# Altium PCB GN-1876-HI3519AV100_V1.PCBDOC (part 5 of 6) (continued)
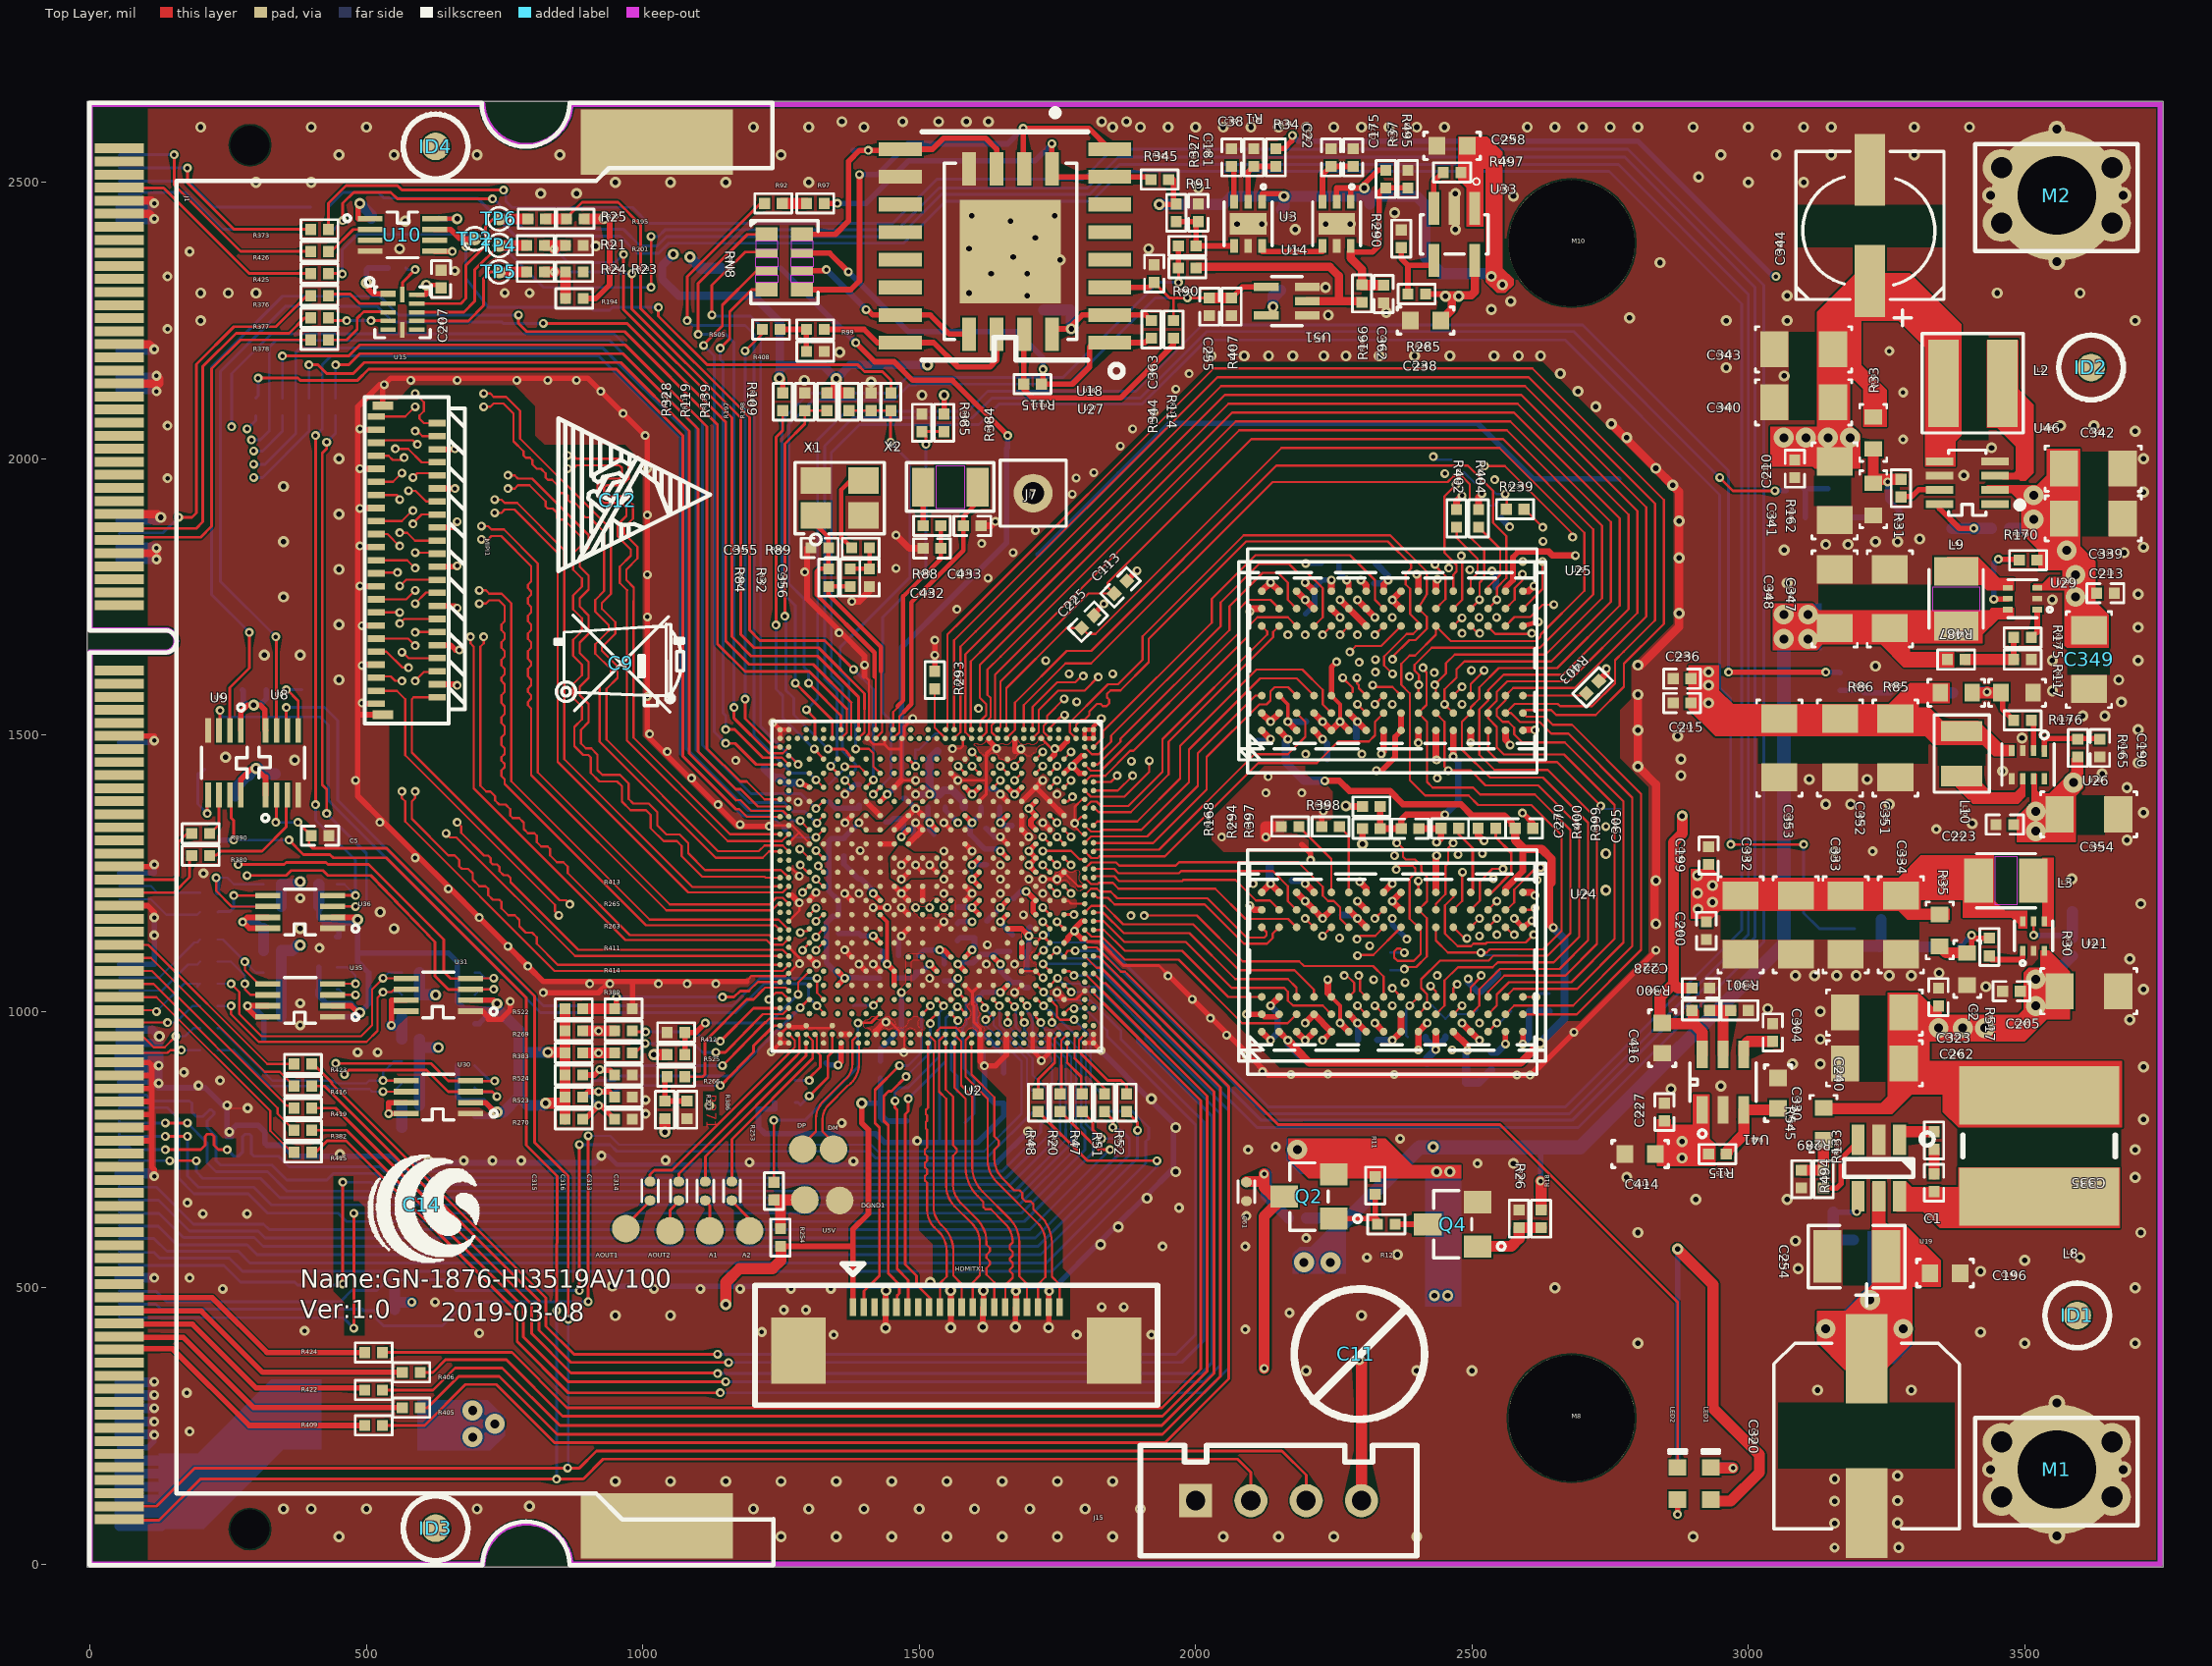
[diagram p0: Top Layer view]
## Nets (pads, with @x,y where several pads share a name; then routed paths per layer and width w, separated by ;. In a path a pad name is that pad's centre, name@x,y a point inside that pad or via, vN(x,y) a via of type N, cw(c..) or ccw(c..) an arc to the next point about the centre after c; other vN are vias at no path point) (continued)
  Top Layer w10: R523.2@891,845.16 900.84,855 v1(920,855) 939.16,855 R414.1@949,845.16
  Bottom Layer w5.1: v1(920,855) 949,855 969,866.16 v1(1140,866.16)
POR_SEL: R119.1 R139.2 U2.1T1 | length 751.4
  Top Layer w5.1: v1(1257,1715.16) 1257,2027.16 1293,2063.16 R119.1@1293,2087.16 R139.2@1333,2087.16 ; v1(1335,1475.16) 1363.74,1475.16 1368.68,1470.22 U2.1T1@1378.15,1456.81
  Bottom Layer w5.1: v1(1257,1715.16) 1258.5,1713.66 1258.5,1581.66 1273,1567.16 1273,1537.16 v1(1335,1475.16)
PWM_OUT0_1V2: R421.1 U2.AN2 | length 2964.6
  Top Layer w5.1: v1(1296,1546.16) 1296,1545.38 1311.22,1530.16 U2.AN2@1311.22,1494.22
  Top Layer w10: v1(2964,1614.16) v1(3140,1614.16)
  Bottom Layer w5.1: v1(1296,1546.16) 1316,1566.16 1316,2034.16 1368,2086.16 1588,2086.16 1624,2122.16 1892,2122.16 2012,2242.16 2700,2242.16 2964,1978.16 v1(2964,1614.16)
  Bottom Layer w10: v1(3140,1614.16) 3164.6,1614.16 R421.1@3166,1612.76
PWR_RSTN: C24.1 R118.2 U2.1M1 | length 99.8
  Top Layer w5.1: U2.1M1@1480.51,1456.81 v1(1493.3,1444.02)
  Bottom Layer w4: v1(1493.3,1444.02) 1493,1444.32 1493,1473.4 1499.5,1473.4 1529,1502.9 R118.2@1533,1502.9
RGMII_RXCK: J1.146 U2.1F18 | length 2108.7
  Top Layer w4: U2.1F18@1634.05,1021.78 1634.05,1021.11 v1(1645,1010.16)
  Top Layer w5.1: v1(136,750.16) 200,750.16 208,758.16 208,774.16 212,778.16 220,778.16 224,774.16 224,758.16 232,750.16 v1(248,750.16)
  Bottom Layer w4: v1(1645,1010.16) 1645,975.16 1705,915.16 1705,885.16 1730,860.16 1730,805.16
  Bottom Layer w5.1: J1.146@53,754.47 71.69,754.47 76,750.16 v1(136,750.16) ; v1(248,750.16) 260,738.16 268,738.16 276,746.16 276,774.16 280,778.16 288,778.16 292,774.16 292,742.16 296,738.16 341,738.16 360,719.16 523.2,719.16 531.2,711.16 1650,711.16 1720,781.16 1720,795.16 1730,805.16
RGMII_RXD0: J1.138 U2.1E19 | length 2130.6
  Top Layer w4: U2.1E19@1659.64,996.19 1659.64,980.52 v1(1660,980.16)
  Bottom Layer w4: v1(1660,980.16) 1660,975.16 1708.5,926.66 1728,926.66 1740,914.66 1740,785.16
  Bottom Layer w5.1: J1.138@53,848.96 101.2,848.96 112,838.16 180,838.16 184,834.16 184,818.16 192,810.16 204,810.16 216,822.16 220,822.16 224,818.16 224,814.16 212,802.16 212,790.16 228,774.16 228,730.16 236,722.16 329,722.16 356,695.16 428,695.16 440,707.16 517,707.16 525,699.16 1657,699.16 1740,782.16 1740,785.16
RGMII_RXD1: J1.140 U2.1C18 | length 2286.8
  Top Layer w4: U2.1C18@1710.82,1021.78 1713.46,1021.78 1723.69,1011.55 v1(1725,1010.16)
  Bottom Layer w4: v1(1725,1010.16) 1732.68,1002.48 1737.48,1002.48 1801.55,938.41 1801.55,796.39
  Bottom Layer w5.1: J1.140@53,825.34 53.82,826.16 140,826.16 160,806.16 160,698.16 188,670.16 286,670.16 321,635.16 449,635.16 464,620.16 1690,620.16 1815,745.16 1815,782.94 1801.55,796.39
RGMII_RXD2: J1.142 U2.1D19 | length 2104.6
  Top Layer w4: U2.1D19@1685.23,996.19 1685.23,980.16 v1(1690,980.16)
  Top Layer w5.1: v1(136,798.16) v1(176,798.16)
  Bottom Layer w4: v1(1690,980.16) 1690,967.16 1711.5,945.66 1735.5,945.66 1765,916.16 1765,787.16
  Bottom Layer w5.1: J1.142@53,801.72 53,798.16 v1(136,798.16) ; v1(176,798.16) 212,762.16 212,726.16 228,710.16 321,710.16 356,675.16 1673,675.16 1765,767.16 1765,787.16
RGMII_RXD3: J1.144 U2.1C19 | length 2151.2
  Top Layer w4: U2.1C19@1710.82,996.19 1710.82,990.16 1720,980.98 v1(1720,980.16)
  Top Layer w5.1: v1(136,774.16) v1(176,774.16)
  Bottom Layer w4: v1(1720,980.16) 1721,979.16 1721,973.99 1728,966.99 1738.72,966.99 1783.55,922.16 1783.55,790.16 1784.61,789.1 1784.61,788.37
  Bottom Layer w5.1: J1.144@53,778.09 53,774.16 v1(136,774.16) ; v1(176,774.16) 176,702.16 196,682.16 296,682.16 328,650.16 1680.87,650.16 1784.61,753.9 1784.61,788.37
RGMII_RXDV: J1.148 U2.1D18 | length 2113.6
  Top Layer w4: U2.1D18@1685.23,1021.78 1685.23,1019.93 v1(1695,1010.16)
  Top Layer w5.1: v1(144,730.16) v1(192,730.16)
  Bottom Layer w4: v1(1695,1010.16) 1695,1000.16 1705,990.16 1705,965.16 1715,955.16 1738,955.16 1775,918.16 1775,787.16
  Bottom Layer w5.1: J1.148@53,730.85 53.69,730.16 v1(144,730.16) ; v1(192,730.16) 192,710.16 204,698.16 308,698.16 343,663.16 1677,663.16 1775,761.16 1775,787.16
RGMII_TXCKOUT: J1.160 R49.2 | length 2113.9
  Bottom Layer w5.1: J1.160@53,589.12 116,589.12 138.96,566.16 268,566.16 289,545.16 1730,545.16 1910,725.16 1910,765.16 1915,770.16 1915,790.16 1886,819.16 R49.2@1830,819.16
RGMII_TXCKOUT_A: R49.1 U2.1B18 | length 224.2
  Top Layer w4: U2.1B18@1736.41,1021.78 1749,1009.19 1749,991.03 1754.94,985.09 1755,985.16 v1(1780,985.16)
  Bottom Layer w4: v1(1780,985.16) 1810,955.16 1810,871.16 R49.1@1830,851.16
RGMII_TXD0: J1.152 R20.2 | length 2004
  Top Layer w5.1: R20.2@1755,819.16 1824,750.16 v1(1845,750.16)
  Bottom Layer w5.1: J1.152@53,683.6 53,682.2 120,682.2 187.05,615.15 314.05,615.15 324.05,605.16 1700,605.16 v1(1845,750.16)
RGMII_TXD0_A: R20.1 U2.D36 | length 113
  Top Layer w4: 1756.91,903.16 1756.91,947.89 1761,951.98 1761.11,951.98 U2.D36@1767.91,958.78
  Top Layer w5.1: R20.1@1755,851.16 1756.91,853.07 1756.91,903.16
RGMII_TXD1: J1.154 R47.2 | length 2023.6
  Top Layer w5.1: R47.2@1795,819.16 1814.1,800.06 1814.1,786.06 v1(1830,770.16)
  Bottom Layer w5.1: J1.154@53,659.98 53,658.58 124,658.58 180,602.58 304,602.58 316.43,590.16 1710,590.16 1865,745.16 1865,760.16 1855,770.16 v1(1830,770.16)
RGMII_TXD1_A: R47.1 U2.D37 | length 103.1
  Top Layer w4: 1767.91,907.16 U2.D37@1767.91,943.04 ; R47.1@1793,855.16 1793,853.16 R47.1@1795,851.16
  Top Layer w5.1: 1767.91,907.16 1793,882.07 R47.1@1793,855.16
RGMII_TXD2: J1.156 R51.2 | length 2022.9
  Top Layer w5.1: R51.2@1835,819.16 1850,804.16 v1(1850,790.16)
  Bottom Layer w5.1: J1.156@53,636.36 54.4,634.96 124.9,634.96 168.8,591.06 296.9,591.06 312.8,575.16 1715,575.16 1880,740.16 1880,770.16 1865,785.16 v1(1850,790.16)
RGMII_TXD2_A: R51.1 U2.C36 | length 131.1
  Top Layer w4: 1781,915.16 1781,956.12 U2.C36@1783.66,958.78 ; R51.1@1835,853.19 1835,861.16
  Top Layer w5.1: 1781,915.16 1835,861.16 ; R51.1@1835,851.16 R51.1@1835,853.19
RGMII_TXD3: J1.158 R52.2 | length 2028.6
  Top Layer w5.1: R52.2@1875,819.16 1895,799.16 v1(1895,785.16)
  Bottom Layer w5.1: J1.158@53,612.74 54.4,611.34 124,611.34 157.18,578.16 284,578.16 302,560.16 1720,560.16 1895,735.16 v1(1895,785.16)
RGMII_TXD3_A: R52.1 U2.B36 | length 161.6
  Top Layer w4: 1793,923.16 1789,927.16 1789,948.37 U2.B36@1799.41,958.78 ; R52.1@1875,851.16 R52.1@1875,855.16
  Top Layer w5.1: 1793,923.16 1841,875.16 1865,875.16 1875,865.16 R52.1@1875,855.16
RGMII_TXEN: J1.162 R48.2 | length 2232.2
  Top Layer w5.1: R48.2@1715,819.16 1804,730.16 v1(1930,730.16)
  Bottom Layer w5.1: J1.162@53,565.49 54.4,564.09 116,564.09 125.94,554.16 252,554.16 276,530.16 1740,530.16 1930,720.16 v1(1930,730.16)
RGMII_TXEN_A: R48.1 U2.E36 | length 123
  Top Layer w4: 1745,909.16 1745,951.16 1749,955.16 1749,955.62 U2.E36@1752.16,958.78
  Top Layer w5.1: R48.1@1715,851.16 1715,877.16 1745,907.16 1745,909.16
RTC_XIN: C433.2 U2.AD2 X2.1 | length 517.7
  Top Layer w4: U2.AD2@1452.95,1494.22 1464,1505.27 1464,1533.9 1472,1541.9
  Top Layer w8: 1472,1541.9 1486,1555.9 1486,1740.36 1517.65,1772 1580,1834.36 C433.2@1580,1878.9 1580,1895.9 1605.21,1921.11 X2.1@1605.21,1948.9
RTC_XOUT: C432.2 R88.1 U2.AD1 | length 404.6
  Top Layer w4: U2.AD1@1452.95,1509.96 1452.95,1541.85 1461,1549.9 1461,1552.9
  Top Layer w8: 1461,1552.9 1471,1562.9 1471,1751.1 1474.66,1754.76 1504.78,1784.87 1539,1819.1 C432.2@1539,1837.9 R88.1@1539,1878.9
SFC_CLK: R99.2 U18.6 U27.16 | length 392.5
  Top Layer w10: R99.2@1328,2234.16 1400.16,2234.16 1424.16,2210.16 U27.16@1465.53,2210.16 1526,2210.16 1570,2166.16 1628,2166.16 1640,2178.16 U18.6@1640,2225.55
SFC_CSN0: R97.2 R345.2 U18.1 U27.7 | length 697.8
  Top Layer w10: R97.2@1328,2462.16 v1(1352,2462.16) ; v1(1740,2570.16) U18.1@1740,2524.77 1740,2510.16 U27.7@1844.47,2510.16 1914,2510.16 R345.2@1919,2505.16
  Bottom Layer w10: v1(1352,2462.16) 1404,2462.16 1481,2539.16 1709,2539.16 v1(1740,2570.16)
SFC_EMMC_BOOT_MODE: R411.1 R524.2 U2.AT34 | length 448.5
  Top Layer w4: 1221.92,980.23 1229,987.31 1261,987.31 U2.AT34@1263.97,990.28
  Top Layer w5.1: v1(1144,902.16) 1221.08,980.23 1221.92,980.23
  Top Layer w10: R524.2@891,885.16 912.16,885.16 v1@920.58,893.58 ; v1(922,895) v1@920.58,893.58 ; R411.1@949,885.16 940.58,893.58 v1@920.58,893.58
  Bottom Layer w5.1: v1(922,895) 924.95,896.06 926.38,896.06 932.48,902.16 v1(1144,902.16)
SFC_HOLD_IO3: R115.2 R344.2 RN8.7 U27.1 | length 818.7
  Top Layer w10: RN8.7@1288,2372.16 1338,2372.16 v1(1372,2338.16) ; v1(1724,2162.16) 1724,2138.16 R115.2@1722.5,2136.66 ; R344.2@1920,2218.16 1916,2218.16 1908,2210.16 U27.1@1844.47,2210.16 1816,2210.16 1808,2202.16 1808,2166.16 1777,2135.16 1724,2135.16 R115.2@1722.5,2136.66 ; R115.2@1722.5,2136.66 R115.2@1721,2135.16 R115.2@1722.5,2136.66
  Bottom Layer w10: v1(1372,2338.16) 1480,2230.16 1676,2230.16 1724,2182.16 v1(1724,2162.16)
SFC_MISO_IO1: RN8.5 U18.2 U27.8 | length 879.8
  Top Layer w10: RN8.5@1288,2306.16 1376,2306.16 1392,2322.16 v1(1392,2514.16) ; U18.2@1690,2524.77 1688,2526.77 v1(1688,2598.16) 1806.47,2598.16 U27.8@1844.47,2560.16
  Bottom Layer w10: v1(1392,2514.16) 1424,2514.16 1479.84,2570 1659.84,2570 v1(1688,2598.16)
SFC_MOSI_IO0: RN8.6 U18.5 U27.15 | length 352.3
  Top Layer w10: RN8.6@1288,2340.16 1332,2340.16 v1(1332,2342.16) ; v1(1404,2270.16) 1406,2270.16 1416,2260.16 U27.15@1465.53,2260.16 1520,2260.16 1554.61,2225.55 U18.5@1590,2225.55
  Bottom Layer w10: v1(1332,2342.16) v1(1404,2270.16)
SFC_WP_IO2: R346.1 RN8.8 U18.3 U27.9 | length 559
  Top Layer w10: RN8.8@1288,2406.16 1348,2406.16 1372,2430.16 1372,2538.16 1392,2558.16 v1(1408,2558.16) 1463.53,2558.16 U27.9@1465.53,2560.16 1524,2560.16 1544,2580.16 1620,2580.16 1640,2560.16 U18.3@1640,2524.77
  Bottom Layer w10: R346.1@1380,2558.16 v1(1408,2558.16)
SVB_PWM0_DVDD: R418.1 U2.1T3 | length 3445.5
  Top Layer w4: v1(1365.4,1418.38) U2.1T3@1378.15,1405.63
  Top Layer w5.1: v1(2968,1302.16) v1(3100,1302.16)
  Bottom Layer w5.1: v1(1365.4,1418.38) 1385,1437.98 1385,1447.16 1361,1471.16 1361,1587.16 1341,1607.16 1341,2011.16 1392,2062.16 1608,2062.16 1644.8,2098.96 1903.2,2098.96 2019.4,2215.16 2668,2215.16 2948,1935.16 2948,1586.16 2968,1566.16 v1(2968,1302.16) ; v1(3100,1302.16) 3100,1178.16 3128,1150.16 R418.1@3192,1150.16
SVB_PWM2_CPU_MEDIA: R420.1 U2.1U2 | length 2559
  Top Layer w5.1: v1(1339.81,1443.97) U2.1U2@1352.56,1431.22 ; v1(2948,1966.16) 2972,1942.16 v1(3048,1942.16)
  Bottom Layer w5.1: v1(1339.81,1443.97) 1351,1455.16 1351,1579.16 1329,1601.16 1329,2023.16 1380,2074.16 1596,2074.16 1632,2110.16 1900,2110.16 2020,2230.16 2684,2230.16 v1(2948,1966.16) ; R420.1@3068,1942.16 R420.1@3068,1946.16
  Bottom Layer w10: v1(3048,1942.16) R420.1@3068,1942.16
SYS_RSTN_1V8: C255.2 C363.1 R114.2 R407.1 U2.AK1 U27.3 U51.4 | length 1755.2
  Top Layer w5.1: v1(1300,1594.16) 1331.73,1562.43 1331.73,1561.89 1358.46,1535.16 U2.AK1@1358.46,1509.96 ; C363.1@1925,2319.16 1953,2291.16 1960,2291.16 ; R114.2@1960,2250.16 1960,2291.16 ; C255.2@2025,2291.16 v1(1985,2291.16) 1960,2291.16
  Top Layer w10: U27.3@1844.47,2310.16 1916,2310.16 C363.1@1925,2319.16 ; R407.1@2065,2291.16 2084.59,2310.75 U51.4@2128,2310.75
  Top Layer w20: C255.2@2025,2291.16 R407.1@2065,2291.16
  Bottom Layer w5.1: v1(1300,1594.16) 1300,1614.16 1292,1622.16 1292,1746.16 1264,1774.16 1264,2062.16 1308,2106.16 1454,2106.16 1481.84,2134 1493.84,2134 1495,2135.16 1771,2135.16 1927,2291.16 v1(1985,2291.16)
SYS_RSTN_OUT: R90.1 R166.2 U51.2 | length 411.3
  Top Layer w15: R90.1@2001,2345.16 2003,2347.16 2243,2347.16 2259,2331.16 2259,2285.16 ; U51.2@2202,2285.16 2259,2285.16 ; R166.2@2301,2283.16 2299,2285.16 2259,2285.16
SYS_RSTN_OUT/WDG_RSTN: R90.2 R91.2 U2.AL2 | length 1499.7
  Top Layer w5.1: v1(1276,1594.16) 1288,1582.16 1288,1581.87 1342.71,1527.16 U2.AL2@1342.71,1494.22 ; v1(1969,2319.16) R90.2@1969,2342.16
  Top Layer w10: R90.2@1969,2342.16 R90.2@1969,2345.16 R91.2@1969,2385.16
  Bottom Layer w5.1: v1(1276,1594.16) 1276,1734.16 1252,1758.16 1252,2070.16 1300.6,2118.76 1448.84,2118.76 1477.24,2147.16 1760,2147.16 1932,2319.16 v1(1969,2319.16)
UART0_RXD: U2.AK2 U9.2 | length 2510.4
  Top Layer w4: U2.AK2@1358.46,1494.22 1369,1504.76 1369,1547.16
  Top Layer w5.1: U9.2@252.84,1508.57 252.84,1586.16 288,1621.32 v1(288,1686.16) ; v1(775,2260.16) 775,2245.16 790,2230.16 967,2230.16 1135,2062.16 1135,1665.16 1185,1615.16 1301,1615.16 1369,1547.16
  Bottom Layer w5.1: v1(288,1686.16) 220,1754.16 220,2166.16 348,2294.16 524,2294.16 558,2260.16 v1(775,2260.16)
UART0_RXD_3V3: C7.1 J1.203 J15.2 U9.7 | length 3800.3
  Top Layer w5.1: J1.203@53,81.24 54.4,79.84 125,79.84 199.66,154.5 v1@844,154.5 ; U9.7@252.84,1391.75 252.84,1375.16 255,1373 255,1350.16 260,1345.16 v1(260,1310.16) ; v1(360,1310.16) 386.02,1284.14 433.98,1284.14 440,1278.12 535.96,1278.12 788.93,1025.16 788.93,758.16 844.89,702.2 844.84,702.15 v1(844,459.16) ; v1(844,154.16) v1@844,154.5 ; J15.2@2100,115.16 2100,166.16 2076,190.16 928,190.16 892.34,154.5 v1@844,154.5
  Bottom Layer w5.1: v1(260,1310.16) v1(360,1310.16) ; v1(844,154.16) v1(844,459.16)
  Bottom Layer w10: C7.1@240,1310.16 v1(260,1310.16)
UART0_TXD: U2.AJ2 U8.7 | length 2476
  Top Layer w4: U2.AJ2@1374.21,1494.22 1377,1497.01 1377,1559.16
  Top Layer w5.1: v1(336,1678.16) 337.16,1677 U8.7@337.16,1508.57 ; v1(820,2245.16) 971,2245.16 1150,2066.16 1150,1670.16 1192,1628.16 1308,1628.16 1377,1559.16
  Bottom Layer w5.1: v1(336,1678.16) 236,1778.16 236,2158.16 353.47,2275.62 520,2275.62 548.23,2247.39 745,2247.39 747.23,2245.16 v1(820,2245.16)
UART0_TXD_3V3: C5.1 J1.201 J15.3 U8.2 | length 3800
  Top Layer w5.1: J1.201@53,104.86 120,104.86 188.65,173.51 864,173.51 v1(864,174.16) 865,173.51 884.35,173.51 916,205.16 2156.1,205.16 2200,161.26 J15.3@2200,115.16 ; v1(336,1342.16) 336,1341.46 337.16,1344.3 U8.2@337.16,1391.75 ; v1(376,1342.16) C5.1@396,1322.16 ; C5.1@400,1318.16 C5.1@396,1322.16 ; v1(865,443.16) 865,702.16 804,763.16 804,1028.16 537,1295.16 403,1295.16 396,1302.16 C5.1@396,1322.16
  Bottom Layer w5.1: v1(336,1342.16) v1(376,1342.16) ; v1(864,174.16) 865,175.16 v1(865,443.16)
UART1_RXD: U2.1V19 U9.3 | length 1496.1
  Top Layer w4: v1(1315,1010.16) 1326.97,998.19 U2.1V19@1326.97,996.19
  Top Layer w5.1: U9.3@233.16,1508.57 235,1510.41 v1(235,1545)
  Bottom Layer w5.1: v1(235,1545) 235,1538.16 240,1533.16 416,1533.16 431,1518.16 431,1382.16 815,998.16 1168,998.16 1220,1050.16 1295,1050.16 1300,1045.16 1300,1025.16 v1(1315,1010.16)
UART1_RXD_3V3: R390.1 U9.6 | length 77.4
  Top Layer w5.1: R390.1@216,1322.16 217.16,1322.16 233.16,1338.16 U9.6@233.16,1391.75
UART1_TXD: U2.1V18 U8.6 | length 1374.4
  Top Layer w4: v1(1315,1060.16) 1315,1033.75 U2.1V18@1326.97,1021.78
  Top Layer w5.1: v1(355,1550.16) 355,1510.41 U8.6@356.84,1508.57
  Bottom Layer w5.1: v1(355,1550.16) 424,1550.16 448,1526.16 448,1382.16 820,1010.16 1162,1010.16 1212,1060.16 v1(1315,1060.16)
UART1_TXD_3V3: R380.1 U8.3 | length 219.4
  Top Layer w5.1: R380.1@216,1282.16 216,1283.1 228.94,1283.1 236,1290.16 311,1290.16 355,1334.16 355,1389.91 U8.3@356.84,1391.75
USB2_DM: DP.1 U2.AH36 | length 246.3
  Top Layer w4: DP.1@1289,751.16 1289,759.16 1313,783.16 1313,805.16 cw(c1359.44,805.16) 1329.5,840.66 1364.55,875.71 ccw(c1341.74,905.16) 1379,905.16 1379,947.16 1378.67,947.49 U2.AH36@1389.96,958.78
USB2_DP: DM.1 U2.AH37 | length 225.3
  Top Layer w4: DM.1@1345,751.16 1345,763.16 1325,783.16 1325,805.16 cw(c1361.25,805.16) 1335,830.16 1370,865.16 ccw(c1342.4,905.16) 1391,905.16 1391,943.04 U2.AH37@1389.96,943.04
USB2_REXT: R179.1 U2.1P18 | length 53.1
  Top Layer w4: v1(1417,1011.16) 1427.62,1021.78 U2.1P18@1429.33,1021.78
  Bottom Layer w5.1: R179.1@1381,1010.16 1382,1011.16 v1(1417,1011.16)
USB2_VBUS: R253.1 U2.1P19 | length 431.1
  Top Layer w5.1: R253.1@1237,691.16 v1(1237,803.16) ; v1(1389,979.16) 1389.7,979.86 1413,979.86 U2.1P19@1429.33,996.19
  Bottom Layer w4: 1389,899.16 1389,907.16
  Bottom Layer w5.1: v1(1237,803.16) 1293,803.16 1389,899.16 ; 1389,907.16 v1(1389,979.16)
VDDIO_DDR_CK: C49.1 LB3.2 U2.1E5 | length 69.1
  Top Layer w10: v1(1646.85,1341.66) U2.1E5@1659.64,1354.45
  Bottom Layer w10: LB3.2@1645.87,1369.29 1645.87,1342.64 v1(1646.85,1341.66) 1652.14,1336.37 C49.1@1667.6,1336.37
VPP_2V5: C228.1 C272.1 C273.1 C305.1 C416.1 R300.1 U24.B1 U24.R9 U25.B1 U25.R9 U41.6 | length 3488.5
  Top Layer w10: U25.R9@2560.6,1760.5 2560.6,1766.76 2574,1780.16 2574,1822.16 2584,1832.16
  Top Layer w12: U24.B1@2151.16,963.54 v1(2166.9,947.8) ; U25.B1@2151.16,1508.54 v1(2166.9,1492.8) ; v1(2233.85,1417.54) 2259.61,1417.54 2277.99,1399.16 2351,1399.16 2375.26,1374.9 2480,1374.9 2500.5,1354.4 2558.76,1354.4 2572,1341.16 2572,1337.38 C305.1@2578.1,1331.28 ; U24.R9@2560.6,1215.5 2560.6,1222.74 2592,1254.14 2592,1292.16 2594,1294.16 ; 2584,1832.16 2639,1832.16 2646,1825.16 v1(2687,1825.16)
  Top Layer w15: v1(2166.9,947.8) 2181.4,933.3 2181.4,931.86 2205.6,907.66 2588.1,907.66 v2(2622.9,942.46) ; C305.1@2578.1,1331.28 2578.1,1310.06 2594,1294.16 2626,1294.16 2644,1276.16 2644,1233.16 2639,1228.16 2639,1159.8 v1(2647.1,1151.7)
  Top Layer w20: v2(2880.3,1353.94) 2880.3,1322.16 2864.3,1306.16 2864.3,1050.16 ; R300.1@2898,1002.16 2900.6,999.56 2900.6,978.16 ; C228.1@2898,1042.16 2872.3,1042.16 2864.3,1050.16 ; U41.6@2916.6,922.36 2916.6,962.16 2900.6,978.16 ; 2864.3,1050.16 2840.3,1026.16 2840.3,983.36 C416.1@2844,979.66 2845.5,978.16 2900.6,978.16
  Mid-Layer 2 w15: v2(2622.9,942.46) 2785,1104.56 2785,1258.64 v2(2880.3,1353.94) 2832,1402.24 2832,1714.16 2721,1825.16 v1(2687,1825.16)
  Bottom Layer w12: v1(2166.9,947.8) 2166.9,940.9 C273.1@2187.1,920.7
  Bottom Layer w15: v1(2166.9,1492.8) 2163.1,1489 C272.1@2163.1,1450.7 2196.26,1417.54 v1(2233.85,1417.54) ; v2(2622.9,942.46) 2667.4,986.96 2667.4,1131.4 v1(2647.1,1151.7)
WDG_RSTN: C181.1 R91.1 R327.2 U3.4 | length 154.1
  Top Layer w10: R327.2@1965,2429.16 C181.1@2005,2429.16 2001,2425.16 R91.1@2001,2385.16 2001.06,2385.1 U3.4@2069.41,2385.1
XIN: C355.2 R84.1 U2.AF1 X1.1 | length 460.7
  Top Layer w4: 1419,1605.9 1421.45,1603.45 U2.AF1@1421.45,1509.96
  Top Layer w8: X1.1@1312.69,1897.4 1312.69,1881.2 1336,1857.89 C355.2@1336,1838.9 R84.1@1336,1800.9 1319,1800.9 1314,1795.9 1314,1754.58 1419,1649.58 1419,1605.9
XOUT: R32.2 R84.2 U2.AF2 | length 358.6
  Top Layer w4: U2.AF2@1421.45,1494.22 1433,1505.77 1433,1524.9 1431,1526.9 1431,1615.9
  Top Layer w8: R32.2@1375,1768.9 R84.2@1336,1768.9 1336,1753.9 1431,1658.9 1431,1615.9
pads on no net: HDMITX1.3 HDMITX1.7 ID1.1 ID2.1 ID3.1 ID4.1 ID5.1 ID6.1 ID7.1 ID8.1 J1.1 J1.3 J1.5 J1.13 J1.14 J1.15 J1.16 J1.17 J1.18 J1.19 J1.20 J1.21 J1.22 J1.23 J1.24 J1.25 J1.26 J1.27 J1.28 J1.29 J1.30 J1.33 J1.34 J1.35 J1.39 J1.40 J1.41 J1.42 J1.43 J1.44 J1.45 J1.46 J1.47 J1.48 J1.49 J1.50 J1.51 J1.52 J1.53 J1.54 J1.55 J1.56 J1.65 J1.66 J1.67 J1.68 J1.69 J1.70 J1.71 J1.72 J1.73 J1.74 J1.75 J1.76 J1.77 J1.78 J1.79 J1.80 J1.81 J1.82 J1.85 J1.86 J1.87 J1.88 J1.89 J1.90 J1.91 J1.92 J1.93 J1.94 J1.95 J1.96 J1.97 J1.98 J1.99 J1.100 J1.101 J1.102 J1.110 J1.111 J1.112 J1.113 J1.114 J1.116 J1.124 J1.126 J1.147 J1.149 J1.151 J1.153 J1.155 J1.157 J1.159 J1.161 J1.163 J1.165 J1.167 J1.174 J1.176 J1.178 J1.179 J1.180 J1.181 J1.183 J1.185 J1.187 J1.189 J1.191 J1.193 J1.195 J1.197 J1.199 J1.205 J1.206 M8.1 M10.1 R24.2 U2.1F1 U2.1F2 U2.1K1 U2.1K2 U2.1L1 U2.1L2 U2.1L18 U2.1M2 U2.1M18 U2.1M19 U2.1N1 U2.1N2 U2.1N4 U2.1N18 U2.1N19 U2.1P1 U2.1R1 U2.1R18 U2.1R19 U2.1T2 U2.1T18 U2.1T19 U2.1U1 U2.1U3 U2.1U4 U2.1U5 U2.1U18 U2.1U19 U2.1V2 U2.1V16 U2.1V17 U2.1W1 U2.1W2 U2.1W5 U2.1W17 U2.1W19 U2.A33 U2.A35 U2.AA2 U2.AB1 U2.AB2 U2.AB36 U2.AB37 U2.AD36 U2.AD37 U2.AE36 U2.AE37 U2.AG36 U2.AG37 U2.AM1 U2.AM2 U2.AP1 U2.AP2 U2.AR2 U2.AT2 U2.AT6 U2.AT7 U2.AT8 U2.AT16 U2.AT22 U2.AT30 U2.AU7 U2.AU16 U2.AU22 U2.AU32 U2.B28 U2.B30 U2.B32 U2.B33 U2.B34 U2.B35 U2.E1 U2.E2 U2.G36 U2.G37 U2.J2 U2.J36 U2.J37 U2.K36 U2.K37 U2.M36 U2.M37 U2.N36 U2.N37 U2.Y1 U2.Y2 U10.3 U10.6 U15.5 U15.7 U26.8 U27.4 U27.5 U27.6 U27.11 U27.12 U27.13 U27.14 U46.1
copper on no net: | length 782.8
  Mid-Layer 2 w10: 2804.58,262.16 ccw(c2680,262.16) 2804.58,262.16

## Polygon pours and split planes (outlines as drawn)
GND on Top Layer "Top Layer-GND 6" (solid, remove dead copper, pour order 1010): 35 vertices, not listed, extent 2032.1,1295.7 2245,1431.37
GND on Top Layer "Top Layer-GND 5" (solid, remove dead copper, pour order 1009): 216 vertices, not listed, extent 1571.44,953.9 1618.4,1016.96
GND on Top Layer "Top Layer-GND 4" (solid, remove dead copper, pour order 1011): 145 vertices, not listed, extent -0.4,0 3739.6,2643.13
AVDD33_USB_0 on Top Layer "Top Layer-AVDD33_USB_0" (solid, remove dead copper, pour order 1008): 1507.45,1104.1 1478.7,1104.1 1475.4,1100.8 1475.4,1051.9 1459.7,1036.2 1459.7,1033.1 1466.6,1026.2 1468.6,1026.2 1485.4,1043 1485.4,1089.9 1489,1093.5 1508.1,1093.5 1510.95,1096.35 1510.95,1100.6
GND on Top Layer "Top Layer-GND 3" (solid, remove dead copper, pour order 1007): 411 vertices, not listed, extent 1599.25,1451.2 1725.67,1501.46
1V8 on Top Layer "Top Layer-1V8 1" (solid, remove dead copper, pour order 1006): 111 vertices, not listed, extent 1680.5,1068.06 1715,1142.88
GND on Top Layer "Top Layer-GND 2" (solid, remove dead copper, pour order 1005): 186 vertices, not listed, extent 1741.23,1218.18 1800.99,1257.7
GND on Top Layer "Top Layer-GND 1" (solid, remove dead copper, pour order 1004): 353 vertices, not listed, extent 1399.01,953.48 1505.89,991.37
GND on Top Layer "Top Layer-GND" (solid, remove dead copper, pour order 1003): 130 vertices, not listed, extent 1912.04,854.16 2701.26,1085.67
DVDD_CPU_MEDIA on Top Layer "Top Layer-DVDD_CPU_MEDIA 1" (solid, remove dead copper, pour order 1002): 1463.4,1300.68 1447.25,1278.87 1448.59,1241.54 1467,1228.89 1475.43,1233.52 1483.66,1241.23 1532.51,1242.77 1539.3,1252.96 1535.6,1260.46 1535.7,1282.37 1528.09,1286.59 1490.55,1285.97 1470.92,1299.84
DVDD_CPU_MEDIA on Top Layer "Top Layer-DVDD_CPU_MEDIA" (solid, remove dead copper, pour order 1001): 310 vertices, not listed, extent 1485.7,1169.34 1564.57,1206.44
1V8 on Top Layer "Top Layer-1V8" (solid, remove dead copper, pour order 1000): 29 vertices, not listed, extent 1384,1323.9 1523.72,1409.9
GND on Mid-Layer 1 "Mid-Layer 1-GND" (solid, remove dead copper, pour order 1012): 145 vertices, not listed, extent -0.4,0 3739.6,2643.13
3V3 on Mid-Layer 2 "Mid-Layer 2-3V3" (solid, remove dead copper, pour order 1019): 29 vertices, not listed, extent 292,350.16 3652,2462.16
1V2 on Mid-Layer 2 "Mid-Layer 2-1V2" (solid, remove dead copper, pour order 1018): 429 vertices, not listed, extent 2125,1161.16 2329.98,1530.16
DVDD_CPU_MEDIA on Mid-Layer 2 "Mid-Layer 2-DVDD_CPU_MEDIA" (solid, remove dead copper, pour order 1017): 46 vertices, not listed, extent 1053,1152.08 3200,2570.16
GND on Mid-Layer 2 "Mid-Layer 2-GND 1" (solid, remove dead copper, pour order 1020): 145 vertices, not listed, extent 3,-3.44 3743,2641.73
1V8 on Mid-Layer 2 "Mid-Layer 2-1V8" (solid, remove dead copper, pour order 1016): 226 vertices, not listed, extent 1376.46,1384.16 3136,2406
GND on Mid-Layer 2 "Mid-Layer 2-GND" (solid, remove dead copper, pour order 1015): 1300,1082.16 1254,1036.16 812,1036.16 469,1379.16 469,2082.16 540.5,2153.66 924,2153.66 1029.75,2047.91 1029.75,1494.16 1176.88,1347.03 1292,1347.03 1292,1082.16
12V0 on Mid-Layer 2 "Mid-Layer 2-12V0" (solid, remove dead copper, pour order 1014): 664,298.16 664,202.16 2314.4,202.16 2486.4,50.16 2776,50.16 3124,400.16 3304,400.16 3304,502.16 3036,502.16 2812,278.16 764,278.16 744,298.16
DVDD on Mid-Layer 2 "Mid-Layer 2-DVDD" (solid, remove dead copper, pour order 1013): 37 vertices, not listed, extent 1330.12,519.43 2948,1330.16
DVDD on Bottom Layer "Bottom Layer-DVDD" (solid, remove dead copper, pour order 1028): 18 vertices, not listed, extent 1560.3,1231.6 1628.8,1275.1
1V2 on Bottom Layer "Bottom Layer-1V2 1" (solid, remove dead copper, pour order 1027): 156 vertices, not listed, extent 1574.02,935.16 2940,2074.14
DVDD_CPU_MEDIA on Bottom Layer "Bottom Layer-DVDD_CPU_MEDIA" (solid, remove dead copper, pour order 1026): 38 vertices, not listed, extent 1430.9,1156.42 1553.05,1317.7
GND on Bottom Layer "Bottom Layer-GND 3" (solid, remove dead copper, pour order 1029): 145 vertices, not listed, extent 3,-3.44 3743,2641.73
1V8 on Bottom Layer "Bottom Layer-1V8" (solid, remove dead copper, pour order 1025): 17 vertices, not listed, extent 1372.04,1335.18 1420,1385.16
GND on Bottom Layer "Bottom Layer-GND 2" (solid, remove dead copper, pour order 1024): 157 vertices, not listed, extent 1360.76,1722.52 1470.24,2013.14
GND on Bottom Layer "Bottom Layer-GND 1" (solid, remove dead copper, pour order 1023): 1446.22,1555.46 1446.22,1691.68 1600.3,1845.76 1600.3,1944.26 1614.4,1958.36 1634.1,1958.36 1642.78,1949.68 1642.78,1854.45 1452.79,1664.46 1452.79,1652.58 1452.79,1652.51 1452.78,1652.37 1452.78,1555.46
GND on Bottom Layer "Bottom Layer-GND" (solid, remove dead copper, pour order 1022): 40 vertices, not listed, extent 1328.29,1119.44 1552.88,1325.16
1V2 on Bottom Layer "Bottom Layer-1V2" (solid, remove dead copper, pour order 1021): 1684.32,1291.96 1667.16,1291.96 1663.39,1295.73 1663.39,1311.16 1667,1314.77 1678.13,1314.77 1692,1300.9 1699.34,1300.9 1707.34,1292.9 1707.34,1258.9 1704.2,1255.76 1693.1,1255.76 1689.13,1259.73 1689.13,1287.15

## Keep-outs
Keep-Out Layer:
  lines w10: 0,0 0,1650.16 139.09,1650.16 ccw(c135.35,1670.16) 139.09,1690.16 0,1690.16 0,2641.73 710,2641.73 ccw(c790,2646.77) 870,2641.73 3745,2641.73 3745,0 870,0 870,-0.22 ccw(c790,-5.39) 710,-0.22 710,0 0,0